# KiCad board Stream.kicad_pcb (continued)
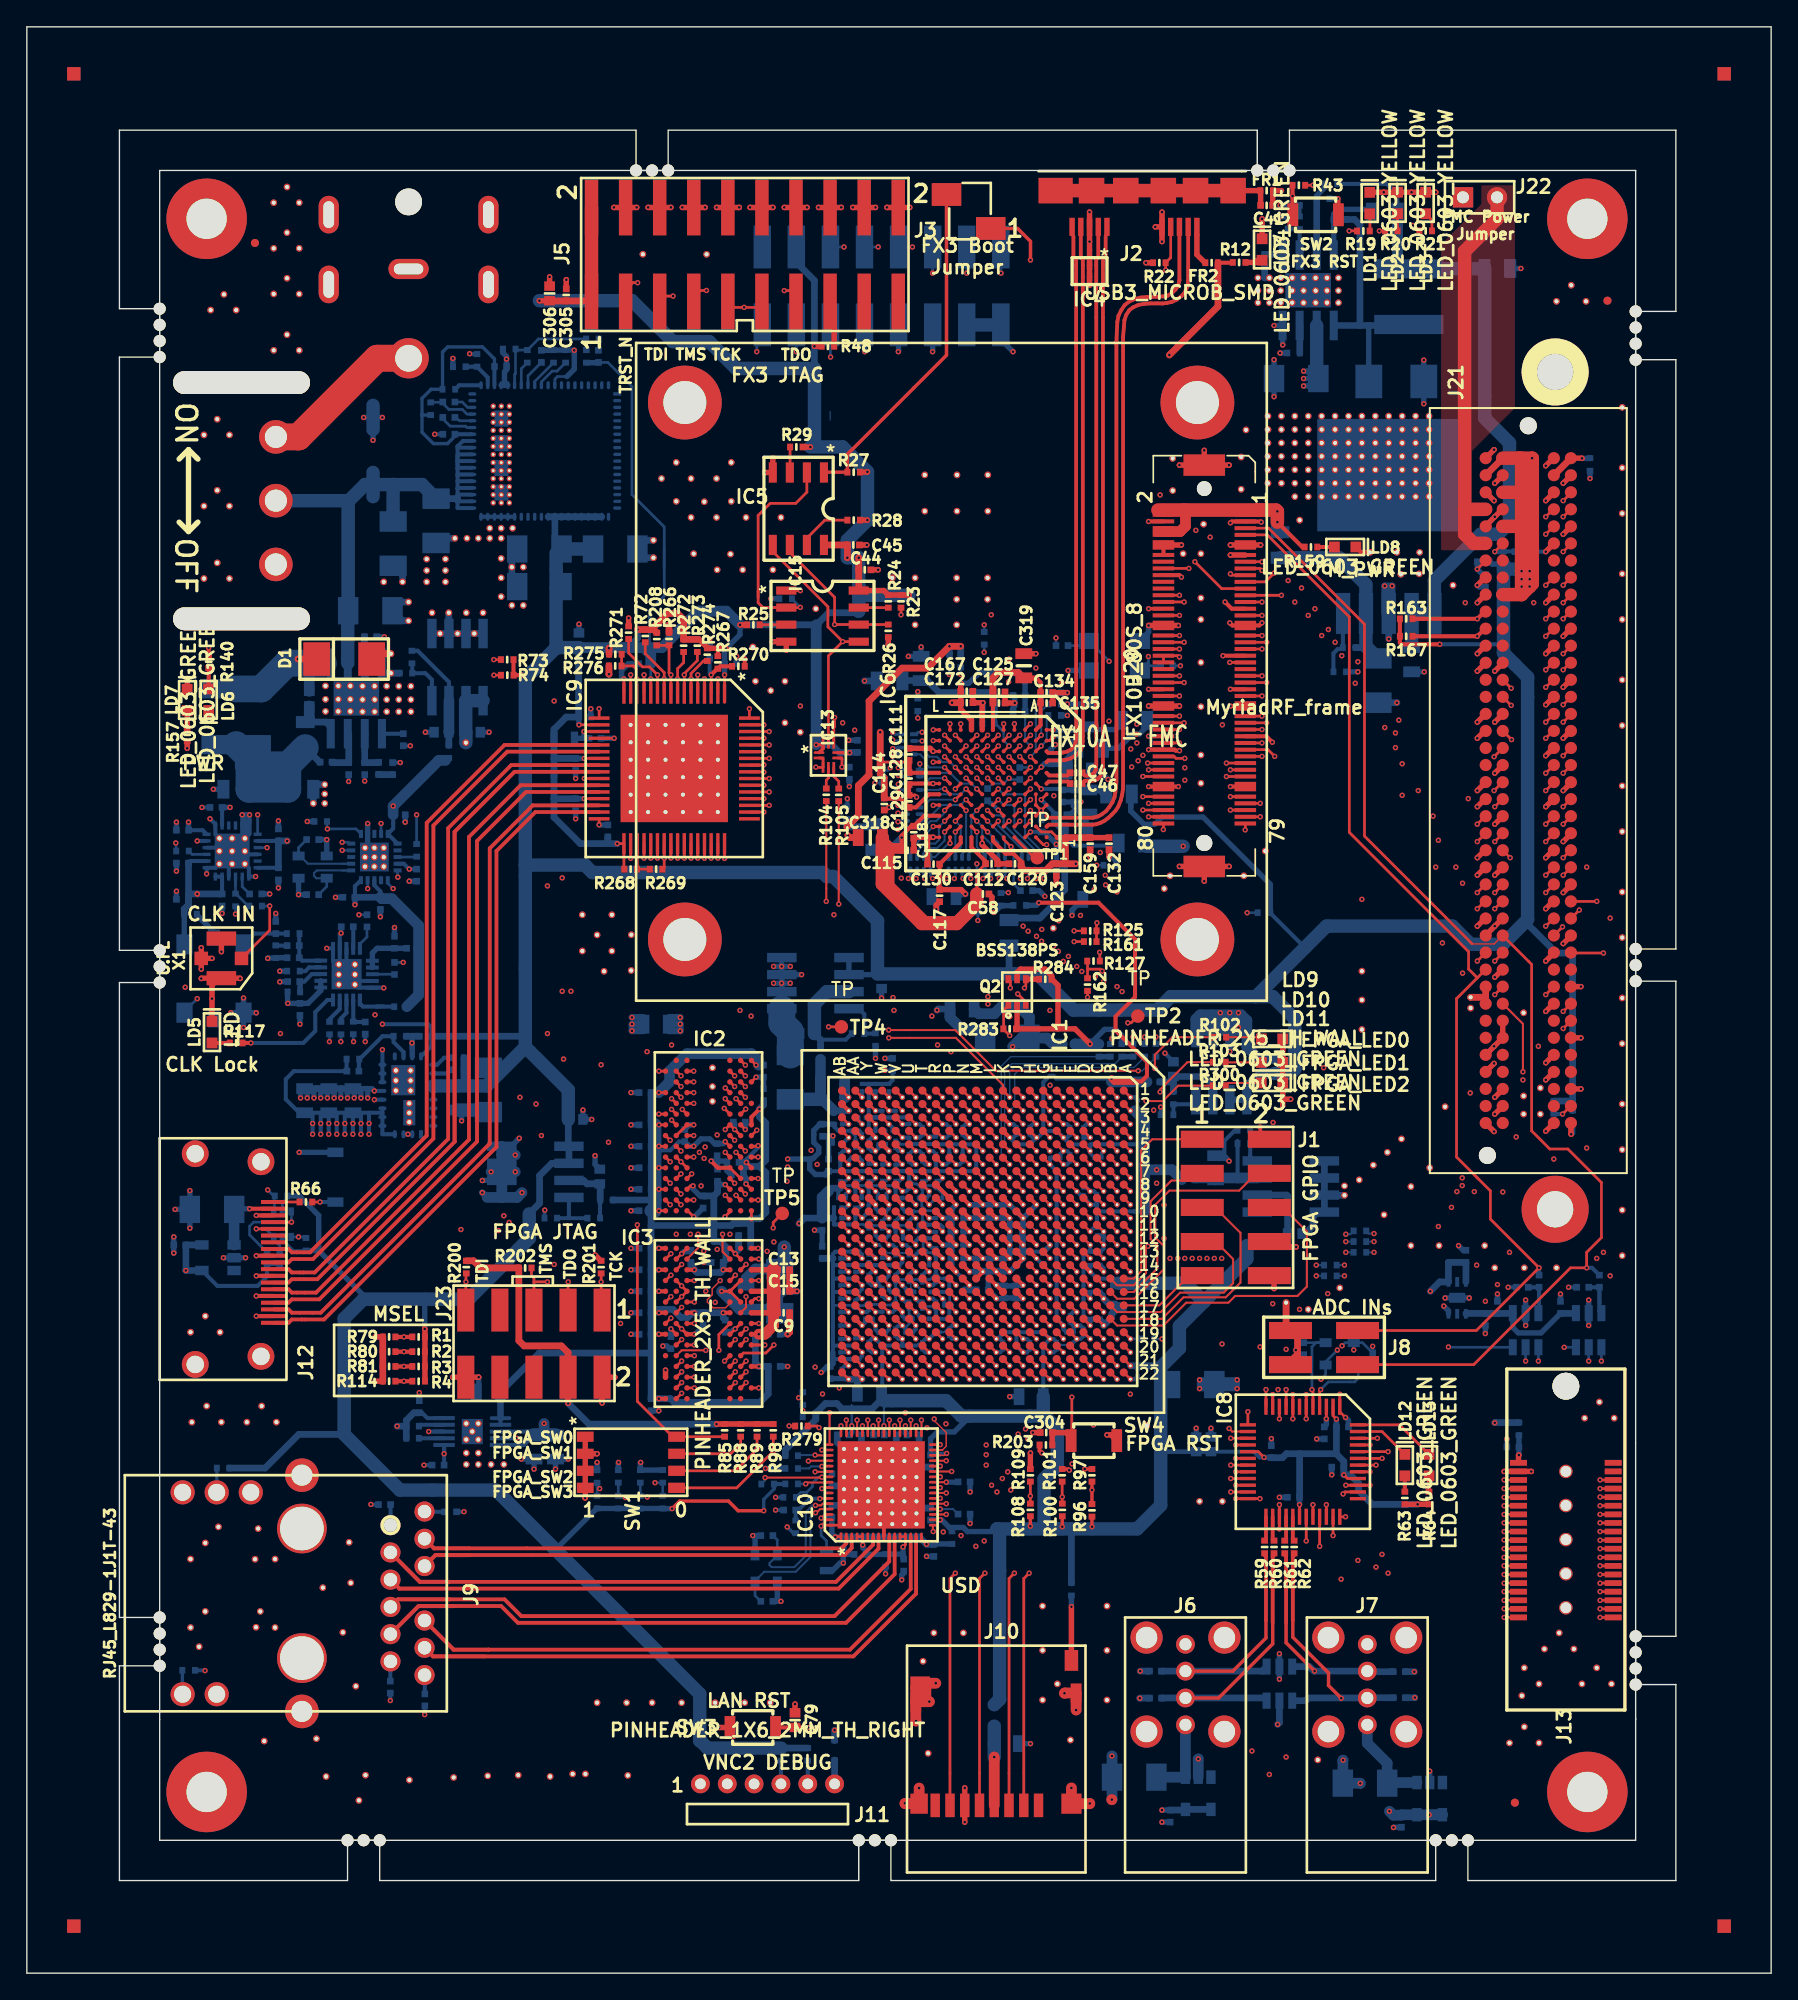
[diagram p0: board, top side]
## Routing (per net, layer and track width the routed paths; a pad name or vN(x,y) marks a point on that pad's centre or on a via; arc(x,y) is an arc through that point) (continued)
DDR1_CLKn: length 20.2
  Top w0.2: IC3.K8 v1(53.6,47.2) ; IC1.R15 IC1.R15
  Inner2.Cu w0.1: IC1.R15 68.25,51.57 68.18,51.65 68.05,51.65 67.88,51.47 67.88,47.95 67.55,47.62 60.32,47.62 60.16,47.46 57.21,47.46 56.95,47.2 v1(53.6,47.2)
DDR1_CLKp: length 20.2
  Top w0.2: IC3.J8 v1(53.6,48) ; IC1.R14 IC1.R14
  Inner2.Cu w0.1: IC1.R14 68.25,51.95 68.18,51.88 67.95,51.88 67.62,51.55 67.62,48.05 67.45,47.88 60.22,47.88 60.05,47.7 57.22,47.7 56.93,48 v1(53.6,48)
DDR_0_B0: length 30.4
  Top w0.2: IC2.L2 v1(52.85,65.15) ; IC1.V4 IC1.V4
  Inner5.Cu w0.1: v1(64.62,71.72) v1(53.15,71.72)
  Inner4.Cu w0.1: 53.15,71.28 53.15,65.45 v1(52.85,65.15) ; 53.15,71.28 53.15,71.55 ; 53.15,71.28 v1(53.15,71.72) ; 64.88,62.62 IC1.V4 64.62,62.88 v1(64.62,71.72)
  Bottom w0.3: R221.2 65.72,62.25 IC1.V4
DDR_0_B1: length 15.7
  Top w0.2: IC2.L3 v1(52.05,65.15) ; IC1.V3 IC1.V3
  Inner5.Cu w0.1: IC1.V3 64.88,63.62 60.5,63.62 59.35,64.78 52.43,64.78 v1(52.05,65.15)
  Bottom w0.3: IC1.V3 R222.2
DDR_0_CKE: length 35
  Top w0.2: IC2.K2 v1(53.57,64.38) ; IC1.R7 IC1.R7
  Inner5.Cu w0.1: v1(67.45,71.3) v1(53.97,71.3)
  Inner4.Cu w0.1: v1(53.97,71.3) 53.97,64.78 v1(53.57,64.38) ; 67.45,70.97 67.45,68.57 67.62,68.4 67.62,59.88 IC1.R7 ; 67.45,70.97 67.45,71.22 ; 67.45,70.97 v1(67.45,71.3)
  Bottom w0.3: IC1.R7 68.03,59.03 R228.2
DDR_0_LDM: length 13
  Top w0.2: IC2.F3 v1(52.05,61.15) ; IC1.AA7 IC1.AA7
  Inner5.Cu w0.1: IC1.AA7 61.88,59.62 58.51,59.62 58.25,59.36 55.29,59.36 53.88,60.78 52.43,60.78 v1(52.05,61.15)
  Bottom w0.25: IC1.AA7 62.03,59.03 R186.2
DDR_0_LDQS: length 15.9
  Top w0.2: IC1.AB9 IC1.AB9 ; IC2.F7 v1(49.7,60.8)
  Inner5.Cu w0.15: v1(50.25,58.65) 51.8,57.1 60.78,57.1 60.93,57.25 IC1.AB9
  Inner4.Cu w0.15: v1(49.7,60.8) 50.25,60.25 v1(50.25,58.65)
  Bottom w0.3: IC1.AB9 61.03,57.03 R184.2
DDR_0_nCAS: length 20.3
  Top w0.2: v1(49.7,64.8) IC2.L7 ; IC1.T4 IC1.T4
  Inner5.Cu w0.1: v1(49.7,64.8) 50.9,63.6 54.55,63.6 55.38,62.78 60.28,62.78 60.43,62.62 66.88,62.62 IC1.T4
  Bottom w0.3: IC1.T4 67.32,62.32 67.75,62.32
DDR_0_nCS: length 34.7
  Top w0.2: IC2.L8 v1(48.05,65.15) ; IC1.R6 IC1.R6
  Inner5.Cu w0.1: v1(48.05,69.15) v1(67.88,69.15)
  Inner4.Cu w0.1: v1(67.88,69.15) 67.88,60.62 IC1.R6 ; v1(48.05,69.15) v1(48.05,65.15)
  Bottom w0.3: R226.2 68.53,60.25 IC1.R6
DDR_0_nRAS: length 21.5
  Top w0.2: IC2.K7 v1(48.85,64.35) ; IC1.T5 IC1.T5
  Inner5.Cu w0.1: v1(48.85,64.35) 49.47,64.35 50.55,63.28 54.45,63.28 55.22,62.5 59.25,62.5 59.88,61.88 66.62,61.88 IC1.T5
  Bottom w0.3: R223.2 67.53,61.25 IC1.T5
DDR_0_nWE: length 23.8
  Top w0.2: IC1.T7 IC1.T7 ; IC2.K3 v1(51.97,64.43)
  Inner5.Cu w0.1: v1(50.55,61.55) 52.4,61.55 52.5,61.65 53.85,61.65 54.28,61.22 54.59,61.22 54.93,60.88 54.93,60.06 55.2,59.79 55.2,59.77 55.33,59.64 58.04,59.64 58.28,59.88 66.62,59.88 IC1.T7
  Inner4.Cu w0.1: v1(51.97,64.43) 50.55,63 v1(50.55,61.55)
  Bottom w0.25: IC1.T7 67.03,59.03 R225.2
DDR_0_ODT: length 38
  Top w0.2: IC2.K9 v1(47.1,64) ; IC1.P6 IC1.P6
  Inner5.Cu w0.1: v1(46.22,68.65) v1(68.88,68.65)
  Inner4.Cu w0.1: v1(68.88,68.65) 68.88,60.62 IC1.P6 ; v1(46.22,68.65) 46.22,64.88 v1(47.1,64)
  Bottom w0.3: R227.2 69.53,60.25 IC1.P6
DDR_0_UDM: length 21.3
  Top w0.2: IC2.B3 v1(52.05,57.95) ; IC1.V5 IC1.V5
  Inner5.Cu w0.1: 53.1,62.45 52.75,62.45 ; 52.75,62.45 v1(51.45,62.45) ; 52.75,62.45 53.97,62.45 54.05,62.38 54.97,62.38 55.1,62.25 59.05,62.25 59.68,61.62 64.88,61.62 IC1.V5
  Inner4.Cu w0.1: v1(52.05,57.95) 51.45,58.55 51.45,61.4 ; 51.45,61.4 v1(51.45,62.45) ; 51.45,61.4 51.45,61.55
  Bottom w0.3: R187.2 64.97,61.25 IC1.V5
DDR_0_UDQS: length 17.9
  Top w0.2: IC1.V10 IC1.V10 ; v1(49.7,57.6) IC2.B7
  Inner5.Cu w0.1: v1(49.7,57.6) 50.53,56.78 52.43,56.78 52.57,56.62 64.88,56.62 IC1.V10
  Bottom w0.3: R185.2 64.97,56.25 IC1.V10
DDR_1_B0: length 24.7
  Top w0.15: IC3.L2 48.8,46.4 v1(50.6,46.4)
  Top w0.2: IC1.U13 IC1.U13
  Inner5.Cu w0.1: v1(50.6,50.8) 50.93,51.12 50.93,51.12 50.93,51.13 51.04,51.24 52.03,51.24 52.2,51.41 52.2,51.4 52.4,51.6 53.93,51.6 54.32,52 57.2,52 57.82,52.62 65.62,52.62 IC1.U13
  Inner3.Cu w0.1: v1(50.6,50.8) v1(50.6,46.4)
  Bottom w0.3: R256.2 66.25,53.53 IC1.U13
DDR_1_B1: length 28.9
  Top w0.2: IC1.T13 IC1.T13 ; IC3.L3 v1(49.75,46)
  Inner4.Cu w0.1: 50.18,52.03 50.18,51.55 ; 50.18,51.55 50.18,46.43 v1(49.75,46) ; 50.18,51.55 50.18,52.57 50,52.75 50,53.35 v1(50.45,53.8)
  Inner2.Cu w0.1: 52.12,53.2 53.2,53.2 53.57,53.57 54.78,53.57 55.1,53.25 60.2,53.25 60.57,53.62 66.88,53.62 IC1.T13 ; 52.12,53.2 51.35,53.2 ; 52.12,53.2 51.12,53.2 50.53,53.8 v1(50.45,53.8)
  Bottom w0.3: IC1.T13 R257.2
DDR_1_CKE: length 25
  Top w0.2: IC1.AB10 IC1.AB10 ; v1(48.8,47.2) IC3.K2
  Inner4.Cu w0.1: v1(48.4,55.05) 48.4,47.62 48.8,47.22 v1(48.8,47.2)
  Inner2.Cu w0.1: 48.69,55.34 v1(48.4,55.05) ; v1(48.4,55.05) 48.8,55.45 ; v1(48.4,55.05) 49.05,55.7 50.07,55.7 50.16,55.79 54.36,55.79 54.82,56.25 54.82,56.25 55.84,57.27 58.77,57.27 59.79,56.25 IC1.AB10
  Bottom w0.3: R263.2 IC1.AB10
DDR_1_LDM: length 15.4
  Top w0.2: IC1.AA16 IC1.AA16 ; v1(49.75,50) IC3.F3
  Inner5.Cu w0.1: v1(49.75,50) 49.93,49.82 50.09,49.82 50.52,49.4 51.3,49.4 51.72,49.82 52.53,49.82 52.75,49.6 56.9,49.6 57.32,50.03 58.1,50.03 58.7,50.62 61.88,50.62 IC1.AA16
  Bottom w0.3: R241.2 61.9,50.25 IC1.AA16
DDR_1_LDQS: length 19.7
  Top w0.1: 51.68,51.59 51.08,50.99 51.08,50.54 50.72,50.18 50.72,49.99 51.14,49.57 52.07,49.57 52.4,49.9 IC3.F7
  Top w0.15: v1(51.68,51.6) 51.68,51.59
  Top w0.2: IC1.V13 IC1.V13
  Inner5.Cu w0.1: v1(51.68,51.6) 52.47,52.4 57.22,52.4 57.7,52.88 64.88,52.88 IC1.V13
  Inner4.Cu w0.1: 65.22,53.25 IC1.V13
  Bottom w0.3: R239.2 65.25,52.97 IC1.V13
DDR_1_nCAS: length 27.8
  Top w0.2: IC1.T10 IC1.T10 ; v1(52,45.6) IC3.L7
  Inner5.Cu w0.1: v1(51.45,53.93) 51.93,54.4 52.9,54.4 53.38,54.88 60.07,54.88 60.82,55.62 66.62,55.62 IC1.T10
  Inner4.Cu w0.1: v1(52,45.6) 51.7,45.6 51.18,46.12 51.18,48.56 50.82,48.92 50.82,50.21 51.18,50.56 51.18,53.65 v1(51.45,53.93)
  Bottom w0.3: IC1.T10 R259.2
DDR_1_nCS: length 24.6
  Top w0.2: v1(55.68,46.8) 55.07,46.2 53.4,46.2 IC3.L8 ; IC1.Y8 IC1.Y8
  Inner5.Cu w0.1: 59.38,58.62 59.5,58.62 ; 59.5,58.62 62.88,58.62 IC1.Y8 ; 59.5,58.62 57.01,58.62 v1(56.65,58.99)
  Inner3.Cu w0.1: v1(56.65,58.99) 55.67,58.01 55.67,58.04 55.67,58.03 55.13,57.49 55.13,54.4 56.18,53.35 56.18,47.3 v1(55.68,46.8)
  Bottom w0.3: IC1.Y8 63.43,58.07 R261.2
DDR_1_nRAS: length 25.7
  Top w0.2: IC3.K7 v1(52.8,47.2) ; IC1.T11 IC1.T11
  Inner6.Cu w0.1: v1(52.4,55.05) 52.7,55.05 52.8,55.15 58.2,55.15 58.72,54.62 66.62,54.62 IC1.T11
  Inner4.Cu w0.1: 52.4,53.95 52.4,47.6 v1(52.8,47.2) ; 52.4,53.95 52.4,54.47 ; 52.4,53.95 v1(52.4,55.05)
  Bottom w0.3: IC1.T11 67.28,55.22 R258.2
DDR_1_nWE: length 29.9
  Top w0.2: IC1.T9 IC1.T9 ; IC3.K3 v1(49.75,46.8)
  Inner5.Cu w0.1: v1(49.45,55.05) 49.97,55.57 54.28,55.57 54.57,55.88 54.58,55.88 54.58,55.88 55.06,56.36 58.71,56.36 59.19,55.88 66.45,55.88 66.75,56.18 66.75,56.75 IC1.T9
  Inner4.Cu w0.1: v1(49.45,55.05) 49.45,54.6 49.3,54.45 49.3,47.25 v1(49.75,46.8)
  Bottom w0.2: 67.68,57.75 67.55,57.62 67.55,57.55 IC1.T9
DDR_1_ODT: length 22.6
  Top w0.2: 54.55,46.8 IC3.K9 v1(55,46.8) ; IC1.T12 IC1.T12
  Inner4.Cu w0.1: 55.18,47.62 55.18,47.43 ; 55.18,47.62 55.18,46.97 v1(55,46.8) ; 55.18,47.62 v1(55.18,53.78)
  Inner2.Cu w0.1: IC1.T12 66.88,53.88 60.32,53.88 60,53.55 55.8,53.55 55.57,53.78 v1(55.18,53.78)
  Bottom w0.3: IC1.T12 67.47,54.03 R262.2
DDR_1_UDM: length 17.1
  Top w0.15: IC3.B3 50.03,54.03 v1(50.03,55.05)
  Top w0.2: IC1.AA10 IC1.AA10
  Inner2.Cu w0.1: v1(50.03,55.05) 50.54,55.56 54.66,55.56 54.97,55.88 54.99,55.88 55.92,56.81 58.72,56.81 59.66,55.88 61.88,55.88 IC1.AA10
  Bottom w0.3: IC1.AA10 62.62,56.62 R242.2
DDR_1_UDQS: length 15.8
  Top w0.15: v1(51.85,55.05) 51.85,53.75 IC3.B7
  Top w0.2: IC1.Y13 IC1.Y13
  Inner6.Cu w0.1: v1(51.85,55.05) 52.25,54.65 52.82,54.65 53.07,54.9 58,54.9 59.03,53.88 62.62,53.88 IC1.Y13
  Bottom w0.3: IC1.Y13 62.97,53.53 R240.2
DVI_de: length 102.8
  Top w0.2: IC1.H8 IC1.H8 ; IC9.2 v1(51.5,96.42)
  Inner4.Cu w0.1: 35.15,59.82 35.15,94.43 40.38,99.65 48.72,99.65 51.5,96.88 v1(51.5,96.42) ; 35.15,59.82 35.15,59.43 ; 35.15,59.82 v1(35.15,55.32)
  Inner2.Cu w0.1: v1(35.15,55.32) 45.78,55.32 46.07,55.62 47.68,55.62 ; 47.78,55.72 47.68,55.62 ; 47.68,55.62 48.03,55.97 49.93,55.97 50.9,56.95 54.88,56.95 55.55,57.62 74.62,57.62 IC1.H8
DVI_hsync: length 97.6
  Top w0.2: IC1.K8 IC1.K8 ; IC9.4 v1(50.5,96.42)
  Inner4.Cu w0.1: 35.55,59.8 35.55,94.47 40.47,99.4 47.93,99.4 50.5,96.83 v1(50.5,96.42) ; 35.55,59.8 35.55,59.43 ; 35.55,59.8 v1(35.55,56.43)
  Inner2.Cu w0.1: v1(35.55,56.43) 47.35,56.43 47.75,56.82 48.93,56.82 49.32,57.22 49.97,57.22 51.1,58.35 53.03,58.35 53.1,58.43 60.35,58.43 60.8,58.88 72.62,58.88 IC1.K8
DVI_htplg: length 58.5
  Top w0.2: IC1.H7 IC1.H7 ; v1(21.85,57.45) R66.1
  Inner2.Cu w0.1: v1(21.85,57.45) 22.07,57.68 49.1,57.68 49.55,58.12 50.35,58.12 51.57,59.35 54.03,59.35 55.3,60.62 55.3,60.63 55.76,61.09 57.91,61.09 58.38,60.62 74.5,60.62 74.75,60.38 IC1.H7 IC1.H7
  Bottom w0.3: v1(21.85,57.45) D7.2
DVI_idck_n: length 45.7
  Top w0.2: v1(54.93,89.47) 54.9,89.5 IC9.56 ; IC1.F1 IC1.F1
  Inner6.Cu w0.1: 71.47,75.38 60.05,75.38 56.65,78.78 56.65,88.25 55.43,89.47 v1(54.93,89.47) ; 71.47,75.38 71.55,75.38 ; 71.47,75.38 v1(77.25,75.38)
  Inner4.Cu w0.1: v1(77.25,75.38) IC1.F1
DVI_idck_p: length 47.6
  Top w0.2: v1(54.93,90.03) 54.9,90 IC9.57 ; IC1.F2 IC1.F2
  Inner6.Cu w0.1: v1(77.62,75.75) 60.03,75.75 56.88,78.9 56.88,88.38 55.22,90.03 v1(54.93,90.03)
  Inner4.Cu w0.1: IC1.F2 77.62,64.62 v1(77.62,75.75)
DVI_msen: length 88.3
  Top w0.2: IC9.11 v1(47,96.72) 46.41,97.32 45.88,97.32 44.85,98.35 R271.2 ; IC1.G5 IC1.G5
  Inner4.Cu w0.1: v1(38.35,62.4) 38.35,94.83 41.18,97.65 46.07,97.65 v1(47,96.72)
  Inner2.Cu w0.1: v1(38.35,62.4) 47.4,62.4 47.47,62.47 48.32,62.47 48.8,62 51.28,62 51.72,61.55 53,61.55 53.57,62.12 58.68,62.12 59.95,60.85 74.45,60.85 74.7,61.1 74.7,61.3 75.05,61.65 75.85,61.65 IC1.G5
DVI_pd: length 84.1
  Top w0.2: IC9.10 v1(47.5,96.42) 47.5,96.89 46.09,98.3 R72.1 ; IC1.J3 IC1.J3
  Inner4.Cu w0.1: v1(37.95,64.75) 37.95,94.78 41.07,97.9 46.4,97.9 47.5,96.8 v1(47.5,96.42)
  Inner2.Cu w0.1: 40.68,64.75 49.18,64.75 50.05,63.88 73.62,63.88 IC1.J3 ; 40.68,64.75 40.25,64.75 ; 40.68,64.75 v1(37.95,64.75)
DVI_TX_DDCSCL: length 70.5
  Top w0.2: IC1.A13 IC1.A13
  Inner1.Cu w0.15: IC1.A13 81.9,53.25 81.4,52.75 81.18,52.75 ; 81.18,52.75 54.38,52.75 52.62,54.5 23.4,54.5 ; 81.18,52.75 80.6,52.75 ; 23.4,54.5 23,54.5 ; 23.4,54.5 22.7,54.5 18.85,58.35 v1(17.95,58.35)
  Bottom w0.2: v1(17.95,58.35) 18.4,57.9 R149.1 18.45,57.87 18.45,56.6
DVI_TX_DDCSDA: length 65.6
  Top w0.2: IC1.A14 IC1.A14
  Inner1.Cu w0.15: v1(20.25,54.85) 21,54.1 43.55,54.1 44.45,53.2 49.28,53.2 49.45,53.38 50.75,53.38 51.2,52.93 52.68,52.93 53.53,52.07 54.85,52.07 55.18,51.75 81.75,51.75 IC1.A14
  Bottom w0.2: 20.72,54.85 R148.1 20.72,54.85 ; 20.72,54.85 v1(20.25,54.85) Q1.1
DVI_vsync: length 96.3
  Top w0.2: IC9.5 v1(50,96.72) ; IC1.L8 IC1.L8
  Inner4.Cu w0.1: 35.95,59.93 35.95,94.55 40.55,99.15 47.57,99.15 v1(50,96.72) ; 35.95,59.93 35.95,59.43 ; 35.95,59.93 35.95,56.95 ; 35.95,56.95 35.95,56.38 ; 35.95,56.95 v1(35.95,55.93)
  Inner2.Cu w0.1: v1(35.95,55.93) 36.3,55.93 36.53,56.15 47.5,56.15 47.93,56.57 49,56.57 49.4,56.97 50.15,56.97 50.72,57.55 53.88,57.55 54.5,58.18 60.53,58.18 60.97,58.62 71.88,58.62 IC1.L8
FCLK1: length 77.9
  Top w0.2: v1(114.5,97.1) 115.02,97.62 J21.H28 ; v1(85.9,91.65) 85.9,91.65 J20.60 ; R127.1 79.05,75.38 79.05,74.8 ; 79.05,74.8 R162.1 ; 79.05,74.8 80,74.8 v1(80.15,74.65)
  Inner6.Cu w0.15: 99.5,80.38 99.5,94.65 100.3,95.45 108.88,95.45 109.73,96.3 113.7,96.3 v1(114.5,97.1) ; v1(99.5,80) 99.5,80.35
  Inner5.Cu w0.15: v1(99.5,80) 92.95,73.45 84.55,73.45 83.35,74.65 v1(80.15,74.65)
  Inner5.Cu w0.2: v1(99.5,80) 92.82,86.68 91.07,86.68 90.6,87.15 89.18,87.15 88.8,87.53 88.8,90.6 87.75,91.65 v1(85.9,91.65)
FCLK2: length 52.9
  Top w0.2: v1(79.75,78.25) 79.72,78.22 R125.1 R161.2 ; v1(92.05,91.65) J20.59 ; v1(115.7,79.2) J21.H13
  Inner6.Cu w0.15: v1(92.05,91.65) 92.05,91.3 91.45,90.7 91.45,86.5 83.2,78.25 v1(79.75,78.25)
  Inner5.Cu w0.15: v1(115.7,79.2) 114.93,79.97 106.48,79.97 95.25,91.2 92.5,91.2 v1(92.05,91.65)
FMC_I2C_SCL: length 80.4
  Top w0.2: 103.99,99.6 103.97,99.6 ; IC1.G10 IC1.G10
  Top w0.3: 103.3,99.59 103.31,99.6 v1(108.1,99.6) 108.67,100.17 J21.C30
  Inner5.Cu w0.1: 105.4,57.05 104.95,57.05 ; 104.95,57.05 85.45,57.05 85.03,56.62 76.62,56.62 IC1.G10 ; 104.95,57.05 v1(106.18,57.05)
  Inner4.Cu w0.1: v1(108.1,99.6) 106.93,98.42 106.93,82.15 106.3,81.53 106.3,76.25 106.18,76.12 v1(106.18,57.05)
FMC_I2C_SDA: length 82.5
  Top w0.2: IC1.G11 IC1.G11
  Top w0.3: 104.1,100.9 103.58,100.9 ; 104.1,100.9 R163.2 ; 104.1,100.9 v1(108.1,100.9) 108.63,101.44 J21.C31
  Inner5.Cu w0.1: v1(105.2,55.62) 76.62,55.62 IC1.G11
  Inner4.Cu w0.1: v1(108.1,100.9) 106,98.8 106,76.45 105.2,75.65 v1(105.2,55.62)
FPGA_CONF_DONE: length 33.9
  Top w0.2: IC1.M18 IC1.M18
  Inner3.Cu w0.1: v1(72.05,79.03) 71.2,78.18 71.2,71.7 71.62,71.28 71.62,48.62 IC1.M18
  Bottom w0.4: 72.06,79.03 v1(72.05,79.03) 72.09,79.03 R38.1 73.51,79.53 R37.2
FPGA_DATA0: length 44.2
  Top w0.15: R104.1 v1(59.58,79.85) ; v1(64.24,69.68) 69.24,69.68 72.75,66.17 IC1.K1
  Top w0.2: IC1.K1 IC1.K1
  Inner4.Cu w0.15: v1(59.58,79.85) 59.58,72.4 62.3,69.68 v1(64.24,69.68)
  Bottom w0.1: IC1.K1 73.25,67.15 73.57,67.47 82.53,67.47 83.3,68.25 R40.1
FPGA_DCLK: length 53.9
  Top w0.15: v1(64.23,70.26) 69.19,70.26 72.22,67.23 v1(82.83,67.23) ; v1(60.51,79.65) R105.1
  Top w0.2: IC1.K2 IC1.K2
  Inner4.Cu w0.15: v1(64.23,70.26) 62.91,70.26 61.26,71.91 61.26,78.53 60.51,79.28 v1(60.51,79.65)
  Bottom w0.1: IC1.K2 73.62,64.62 73.62,66.97 73.88,67.22 83.12,67.22 84.15,68.25 R42.1
  Bottom w0.15: v1(82.83,67.23) 82.83,67.22
FPGA_NCONFIG: length 16.9
  Top w0.2: IC1.K5 IC1.K5
  Bottom w0.1: IC1.K5 72.88,61.62 72.88,67.22 73.4,67.75 81.1,67.75 81.6,68.25 R35.2
  Bottom w0.4: R35.2 R41.1
FPGA_NSTATUS: length 16.7
  Top w0.2: IC1.K6 IC1.K6
  Bottom w0.1: IC1.K6 72.62,60.88 72.62,67.57 73.33,68.28 R36.2
  Bottom w0.4: R36.2 R39.1
FPGA_VCCA: length 60.2
  Top w0.2: IC1.F18 IC1.F18 ; IC1.U18 IC1.U18 ; IC1.T6 IC1.T6 ; IC1.G6 IC1.G6
  Inner7.Cu w0.3: v1(76.26,66.15) 76.75,65.66 76.75,60.66 76.34,60.25 IC1.G6
  Inner7.Cu w0.8: v1(73.47,69.02) 76.26,66.23 v1(76.26,66.15)
  Inner6.Cu w0.3: IC1.F18 IC1.F18 66.75,48.75 IC1.U18
  Inner5.Cu w0.3: IC1.G6 75.75,59.75 67.75,59.75 IC1.T6
  Inner1.Cu w0.5: IC1.F18 77.72,47.78
  Bottom w0.3: C272.1 66.97,60.25 IC1.T6 ; C273.1 77.25,47.97 IC1.F18 IC1.F18 76.75,59.75 IC1.G6 76.25,60.75 C276.1 ; C277.1 66.25,47.97 IC1.U18
  Bottom w0.8: C214.1 76.04,69.66 76.49,69.21 FR21.2 ; C214.1 74.72,71.24 73.92,72.04 72.67,72.04 72.11,71.48 70.95,71.48 C303.1 ; C214.1 74.11,69.66 v1(73.47,69.02)
FX3_ADF_SNN: length 70.4
  Top w0.2: v1(74,90.63) 74.4,90.23 IC6.C4
  Inner5.Cu w0.15: v1(65.17,81.58) 65.15,81.6 v1(39.9,81.6)
  Inner4.Cu w0.1: v1(65.17,81.58) 65.81,82.22 68.06,82.22 70.4,84.56 70.4,90.89 70.54,91.03 73.65,91.03 74,90.68 v1(74,90.63)
  Inner4.Cu w0.15: v1(39.9,81.6) v1(39.9,73.15)
  Inner2.Cu w0.15: v1(39.9,73.15) 39.55,72.8 25.95,72.8 v1(22.55,69.4)
  Bottom w0.2: v1(22.55,69.4) 22.56,69.41 R124.1
FX3_CONF_DONE: length 11.1
  Top w0.2: IC6.E5 v1(72.4,89.82)
  Inner4.Cu w0.1: v1(72.4,89.82) IC6.E5 72.8,83.87 73.55,83.12 73.55,80.9 v1(73.15,80.5)
  Bottom w0.2: R38.2 72.63,80.5 v1(73.15,80.5)
FX3_DATA0: length 37.9
  Top w0.2: IC6.D1 v1(73.6,93.07)
  Inner5.Cu w0.15: v1(86.3,89.8) 85.38,90.72 85.38,91.78 83.4,93.75 79.4,93.75 78.79,93.14 77.29,93.14 76.8,93.62 74.15,93.62 v1(73.6,93.07)
  Inner3.Cu w0.15: v1(86.3,89.8) 85.03,88.53 85.03,86.6 83.3,84.88 v1(83.3,69.75)
  Bottom w0.2: v1(83.3,69.75) R40.2
FX3_DCLK: length 35
  Top w0.2: IC6.D3 v1(74,91.43)
  Inner3.Cu w0.15: v1(86.3,88.88) 86.3,85.97 83.78,83.46 83.78,70.55 84.15,70.18 v1(84.15,69.75)
  Inner1.Cu w0.15: v1(86.3,88.88) 83.47,88.88 83.15,88.55 82.07,88.55 80.05,90.57 75.6,90.57 75.15,91.03 74.4,91.03 v1(74,91.43)
  Bottom w0.2: v1(84.15,69.75) R42.2
FX3_FPGA_SNN: length 42.2
  Top w0.2: IC1.C2 IC1.C2 ; v1(72.8,93.07) IC6.E1
  Inner6.Cu w0.1: v1(72.8,93.07) 73.22,93.5 77.05,93.5 77.28,93.28 v1(80.65,93.28)
  Inner4.Cu w0.1: IC1.C2 80.28,64.25 80.74,64.71 80.74,66.25 80.39,66.6 80.39,73.25 81.16,74.02 81.16,79.69 78.8,82.05 78.8,83.85 77.95,84.7 77.95,91.93 79.29,93.28 v1(80.65,93.28)
FX3_GPIO42: length 120.2
  Top w0.2: IC6.G2 v1(71.6,92.22) ; IC1.H14 IC1.H14
  Inner5.Cu w0.15: 66.2,93.97 65.88,93.97 ; 65.88,93.97 55.47,93.97 54.68,94.78 v1(39.3,94.78) ; 65.88,93.97 66.88,93.97 67.95,92.9 67.95,92.07 68.2,91.82 IC6.G2 v1(71.6,92.22)
  Inner4.Cu w0.1: v1(75.64,77.76) 75.26,77.76 74.88,77.38 74.88,76.93 75,76.8 75,65.65 74.88,65.53 74.88,52.62 IC1.H14
  Inner4.Cu w0.15: v1(39.3,52.8) v1(39.3,94.78)
  Inner2.Cu w0.1: v1(71.6,92.22) 72,91.82 72,84.12 73.55,82.57 73.55,79.94 75.64,77.85 v1(75.64,77.76)
FX3_GPIO43: length 67.4
  Top w0.2: IC6.G3 v1(71.6,91.43) ; IC1.H15 IC1.H15
  Inner6.Cu w0.15: 63.88,93.05 68.25,93.05 68.8,92.5 68.8,91.82 69.6,91.03 IC6.G3 v1(71.6,91.43) ; 63.88,93.05 63.3,93.05 ; 63.88,93.05 62.15,93.05 v1(61.7,92.6)
  Inner5.Cu w0.15: v1(76.25,71.72) 71.12,71.72 70.65,72.2 65.03,72.2 v1(64.55,72.68)
  Inner4.Cu w0.15: v1(64.55,72.68) 61.7,75.53 v1(61.7,92.6)
  Inner3.Cu w0.1: IC1.H15 75.88,51.88 75.88,66.28 76.25,66.65 v1(76.25,71.72)
FX3_GPIO44: length 55
  Top w0.2: IC1.G13 IC1.G13 ; IC6.F3 v1(72.4,91.43)
  Inner6.Cu w0.1: 73.55,96.12 v1(77.15,96.12) ; 73.55,96.12 73.2,96.12 ; 73.55,96.12 73.35,96.12 73.26,96.21 v1(73.17,96.21)
  Inner4.Cu w0.1: 77.15,95.72 77.15,95.85 ; 77.15,95.72 77.15,79.25 76.07,78.18 76.07,76.47 75.88,76.28 75.88,64.96 75.61,64.69 75.61,53.89 IC1.G13 ; 77.15,95.72 v1(77.15,96.12) ; 73.2,94.4 73.2,92.82 72.8,92.43 72.8,91.82 v1(72.4,91.43) ; 73.2,94.4 73.2,94.72 ; 73.2,94.4 73.2,96.18 ; 73.2,96.18 v1(73.17,96.21) 73.2,96.18
FX3_NCONFIG: length 35.2
  Top w0.2: IC6.D2 v1(74,92.22)
  Inner5.Cu w0.15: v1(82.72,91.65) 81.88,91.65 81.25,91.03 76.57,91.03 75.78,91.82 74.4,91.82 v1(74,92.22)
  Inner3.Cu w0.1: 83.83,88.02 82.86,88.02
  Inner3.Cu w0.15: 83.83,88.02 84.39,88.58 84.39,91.17 83.91,91.65 v1(82.72,91.65) ; 82.86,88.02 82.45,87.61 v1(82.45,69.75)
  Bottom w0.2: v1(82.45,69.75) R41.2
FX3_NSTATUS: length 32.2
  Top w0.2: v1(72.4,90.62) IC6.E4
  Inner5.Cu w0.15: v1(72.4,90.62) IC6.E4 75.12,90.22 75.18,90.28 81.94,90.28 82.34,89.87 v1(82.34,89.86)
  Inner3.Cu w0.1: 80.85,82.07 80.85,69.65 v1(80.87,69.63)
  Inner3.Cu w0.15: 80.85,82.07 81.7,82.93 81.7,89.22 v1(82.34,89.86)
  Bottom w0.2: v1(80.87,69.63) 80.75,69.51 R39.2
FX3_PCLK: length 15.6
  Top w0.2: IC1.M2 IC1.M2
  Inner3.Cu w0.1: v1(70.88,78.43) 70.88,64.62 IC1.M2
  Bottom w0.2: R56.2 v1(70.88,78.43)
FX3_SPI_CS: length 35.2
  Top w0.2: IC1.J4 IC1.J4 ; IC6.F5 v1(71.6,89.82)
  Inner4.Cu w0.1: 71.97,90.19 71.99,90.21 72,90.21 ; 71.97,90.19 v1(71.6,89.82) ; 71.97,90.19 71.97,90.2 73.46,90.2 73.59,90.07 73.59,84.3 76.3,81.59 76.3,80.08 75.96,79.74 75.96,79.75 75.12,78.91 74.47,78.91 72.5,76.94 72.5,68.45 73.7,67.25 73.7,62.82 74.25,62.27 IC1.J4 ; v1(71.6,89.82) 71.6,89.83 ; v1(71.6,89.82) 71.62,89.82
FX3_SPI_MISO: length 87.2
  Top w0.2: 54.5,102.95 54.5,108.6 55.4,109.5 57.3,109.5 58.13,110.33 IC5.2 ; 54.5,102.95 54.5,102.1 54.87,101.73 IC15.2 ; 54.5,102.95 54.5,102.5 ; 55.26,101.73 IC15.2 ; IC15.2 57.63,101.73 v1(57.65,101.75) ; IC6.C2 v1(74.8,92.22) ; IC1.G15 IC1.G15
  Inner5.Cu w0.1: 66.43,94.4 66.3,94.4 ; 66.3,94.4 66.9,94.4 68.68,92.62 74.4,92.62 v1(74.8,92.22) ; 66.3,94.4 v1(57.65,94.4)
  Inner4.Cu w0.1: v1(57.65,94.4) v1(57.65,101.75)
  Inner3.Cu w0.1: v1(74.8,92.22) 75.2,91.82 75.2,83.93 76.3,82.82 76.3,78.55 76.03,78.28 76.03,75.57 76.62,74.97 76.62,51.62 IC1.G15
  Bottom w0.2: v1(57.65,101.75) 57.02,102.38 R115.1
FX3_SPI_MOSI: length 138.6
  Top w0.1: v1(60.8,99.2) 60.81,99.19
  Top w0.2: IC15.5 60.81,99.19 59.7,100.3 59.7,101.8 55.59,105.91 IC5.5 ; v1(60.8,99.2) 59.74,98.14 IC13.9 ; IC6.D5 v1(73.2,89.82) ; IC1.G16 IC1.G16
  Inner5.Cu w0.1: v1(60.8,93.15) 65.65,93.15 65.85,92.95 65.85,91.53 66.75,90.62 67.8,90.62 68.2,90.22 71.8,90.22 72,90.03 72,89.68 72.25,89.43 73.2,89.43 ; IC6.D5 74.05,89.43 ; 74.05,89.43 76.35,89.43 76.54,89.24 v1(76.54,87.72) ; 74.05,89.43 73.2,89.43 ; 73.2,89.43 v1(73.2,89.82)
  Inner4.Cu w0.1: v1(60.8,93.15) v1(60.8,99.2)
  Inner3.Cu w0.1: 76.88,74.47 76.88,50.88 IC1.G16 ; 76.88,74.47 76.88,74.8 ; 76.88,74.47 76.88,75.57 77.3,76 77.3,86.96 v1(76.54,87.72)
  Inner2.Cu w0.1: v1(23.4,69.4) 26.37,72.37 49.66,72.37 57.85,80.56 57.85,89.72 60.8,92.67 v1(60.8,93.15)
  Bottom w0.2: v1(23.4,69.4) 23.41,69.41 R123.1
FX3_SPI_SCK: length 133.4
  Top w0.2: 60.2,101.33 60.2,102.5 56.87,105.83 IC5.6 ; 60.2,101.33 60.2,101.1 ; 60.2,101.33 v1(60.2,100.47) 61.99,100.47 IC15.6 62,100.47 R26.1 ; IC13.8 60.14,92.82 60.2,92.88 v1(60.2,93.55) ; IC1.F11 IC1.F11 ; v1(73.2,90.62) IC6.D4
  Inner6.Cu w0.1: v1(60.15,78.85) 71.3,78.85 71.75,78.4 v1(76.9,78.4)
  Inner5.Cu w0.1: v1(60.2,93.55) 65.65,93.55 66.1,93.1 66.1,91.72 66.4,91.43 67.8,91.43 68.2,91.03 72.8,91.03 v1(73.2,90.62)
  Inner4.Cu w0.1: v1(60.15,78.85) 60.15,86.45 59.7,86.9 59.7,88.82 59.24,89.28 59.24,92.59 v1(60.2,93.55) v1(60.2,100.47)
  Inner2.Cu w0.1: v1(24.35,69.4) 24.9,69.95 25.1,69.95 27.19,72.04 49.7,72.04 56.51,78.85 v1(60.15,78.85)
  Inner1.Cu w0.1: 77.28,76.95 77.28,75.97 76.88,75.57 76.88,55.62 IC1.F11 ; 77.28,76.95 77.28,77.32 ; 77.28,76.95 77.28,78.03 v1(76.9,78.4)
  Bottom w0.2: v1(24.35,69.4) 24.33,69.42 R122.1
FX3_VCC1P8: length 39.8
  Top w0.2: C112.1 70.8,82 C58.1
  Top w0.3: C112.1 71.45,82.82 70.4,83.88 IC6.H11 ; C115.1 v1(65.2,84.6) 65.2,84.75 65.9,85.45 C118.1 66.88,86.22 IC6.L9
  Top w0.5: 64.41,83.95 C318.1 63.76,85.02 ; 64.41,83.95 65.2,83.95 ; 64.41,83.95 64.41,81.09 67,78.5 69.25,78.5 70.8,80.05 C58.1 ; 63.76,83.6 63.76,83.65 C115.1
  Top w1: C58.1 70.8,79.7 69.3,78.2 66.7,78.2 63.76,81.14 C318.1
  Bottom w0.5: v1(65.2,84.6) 64.5,83.9 63.4,83.9 FR18.2
FX3_VCC2P5: length 12
  Top w0.2: IC6.E3 v1(73.2,91.43)
  Bottom w0.15: 72.8,92.4 72.8,91.82 v1(73.2,91.43)
  Bottom w0.2: C133.1 72.18,93.1 72.8,92.48 72.8,92.4
  Bottom w0.4: C133.1 C131.1
  Bottom w0.5: FR19.2 65.28,96.3 C320.1 67.1,96.3 68,95.4 71.7,95.4 72.1,95 C131.1
FX3_VCC3P3: length 47.6
  Top w0.2: IC6.E10 v1(73.2,85.82) ; v1(74.8,85.03) IC6.C11
  Top w0.3: IC6.F1 72,92.63 C127.1 ; IC6.B1 75.55,92.98 C135.1 ; v1(76.72,84.1) 76.72,84.1 ; v1(75.24,96.48) 75.55,96.17 C134.1
  Top w0.4: 74.2,96.5 74.22,96.48 v1(75.24,96.48) ; C134.1 C135.1
  Top w0.5: C319.1 73.9,96.9 72.4,96.9 72,96.5 C125.1 C127.1
  Inner2.Cu w0.4: v1(74.8,85.03) 74.53,85.3 73.67,85.3 73.2,85.77 v1(73.2,85.82) ; v1(76.72,84.1) 77.23,84.6 77.23,92.85 75.24,94.84 v1(75.24,96.48)
  Inner2.Cu w1: 77.5,92.6 77.5,84.9 76.96,84.36 76.96,84.34
  Bottom w0.2: 75.6,85.03 C139.1
  Bottom w0.3: 77.38,80.72 77.35,80.7 ; v1(74.8,85.03) 74.8,85.03 C139.1
  Bottom w0.4: C139.1 75.82,85.03 76.72,84.12 v1(76.72,84.1) C137.1 76.75,82.63
  Bottom w0.5: C321.1 75.5,78.6 73.35,78.6 FR20.2 ; C137.1 76.98,82.65 77.35,82.28 77.35,80.7 77.07,80.43
FX3_VDD: length 160.4
  Top w0.2: C111.1 65.62,90.22 63.6,90.22 ; 76.8,84.6 76.38,85.03 75.6,85.03 IC6.B10 ; v1(72.4,86.65) 72.8,86.25 IC6.E9 ; v1(74.8,91.43) IC6.C3
  Top w0.3: C128.1 65.77,89.43 IC6.L5 ; C114.1 63.95,87.5 65.1,87.5 C129.1 66.25,86.85 67.22,87.82 IC6.L7 ; C120.1 74.1,82.83 73.53,83.4 72.95,83.4 72,84.35 IC6.F11 ; C117.1 C130.1 69.6,84.2 IC6.J11
  Top w0.4: 76.8,84.6 77.4,84.6 ; v1(69.95,80.4) 69.63,80.72 C117.1 ; IC6.H1 70.4,93.35 69.6,94.15 C172.1 C167.1 v1(69.6,96.1) ; C123.1 76.97,82.65 ; C159.1 C132.1 ; C111.1 C128.1
  Top w0.5: 63.6,89.82 63.6,89.35 63.9,89.05 C114.1 ; 63.6,89.82 63.6,90.28 ; 63.6,89.82 v1(63.6,92.45) ; C159.1 77.4,84.6 77.4,83.57 ; 77.4,83.57 77.4,83.07 ; 77.4,83.57 77.4,82.65 ; 69.58,94.62 C172.1 v1(68.95,94.65) ; 77.4,82.65 C123.1 76.43,82.65 75.93,82.15 74.38,82.15 74.1,82.43 C120.1 ; 77.4,82.65 v1(78.18,82.65)
  Inner7.Cu w0.15: v1(72.4,86.65) 72.82,86.22 75.12,86.22 75.32,86.03 75.43,86.03
  Inner7.Cu w0.5: 75.4,86.05 75.43,86.03 75.97,86.03 77.6,84.4 ; 65.3,77.5 58.5,70.7 v1(48.7,70.7) ; 65.3,77.5 68.1,77.5 69.95,79.35 v1(69.95,80.4) 72.3,80.4 73.7,79 76.1,79 77.6,80.5 77.6,82.6 ; 65.3,77.5 62.4,80.4 62.4,89.4 63.6,90.6 v1(63.6,92.45) 65.8,94.65 v1(68.95,94.65) ; 77.6,82.6 77.6,82.65 v1(78.18,82.65) ; 77.6,82.6 77.6,84.4 ; 77.6,84.4 85.73,84.4 ; 85.73,84.4 v1(86.18,83.95) ; 85.73,84.4 85.55,84.4 85.55,85.8 84.65,85.8 84.65,92.75 84.4,93 83.55,93 82.85,92.3 v1(82.7,92.3)
  Inner7.Cu w1: v1(48.7,71.2) 48.7,70.1
  Bottom w0.15: v1(74.8,91.43) 74.4,91.83 C165.1
  Bottom w0.3: C168.1 71.8,87.15 71.9,87.15 v1(72.4,86.65) ; FR15.2 80.19,91.26
  Bottom w0.4: 80.33,91.11 FR15.2 81.35,91.25 82.4,92.3 v1(82.7,92.3) 82.9,92.3 83.49,92.89 FR14.2 ; v1(69.6,96.1) 70.2,96.1 71,96.9 73.6,96.9 74.4,96.1 C126.1 C165.1 ; 83.27,84.56 FR13.2 84.97,84.19 85.21,83.95 v1(86.18,83.95)
  Bottom w0.5: C317.1 69.45,80.4 v1(69.95,80.4) ; FR17.2 v1(48.7,70.7) v1(48.7,70.2) 47.85,70.2 ; v1(48.7,71.2) 47.85,71.2